# Altium PCB PCB信仰尺V1.0.pcbdoc (part 2 of 6)
Units mil, origin at the board's own origin, x right, y up, seen from the top; angles counter-clockwise.
Board outline 13501.75 x 10176.26 mil, 2 copper layers (Top Layer, Bottom Layer); 258 components, 187 nets, 2051 pads, 0 vias.
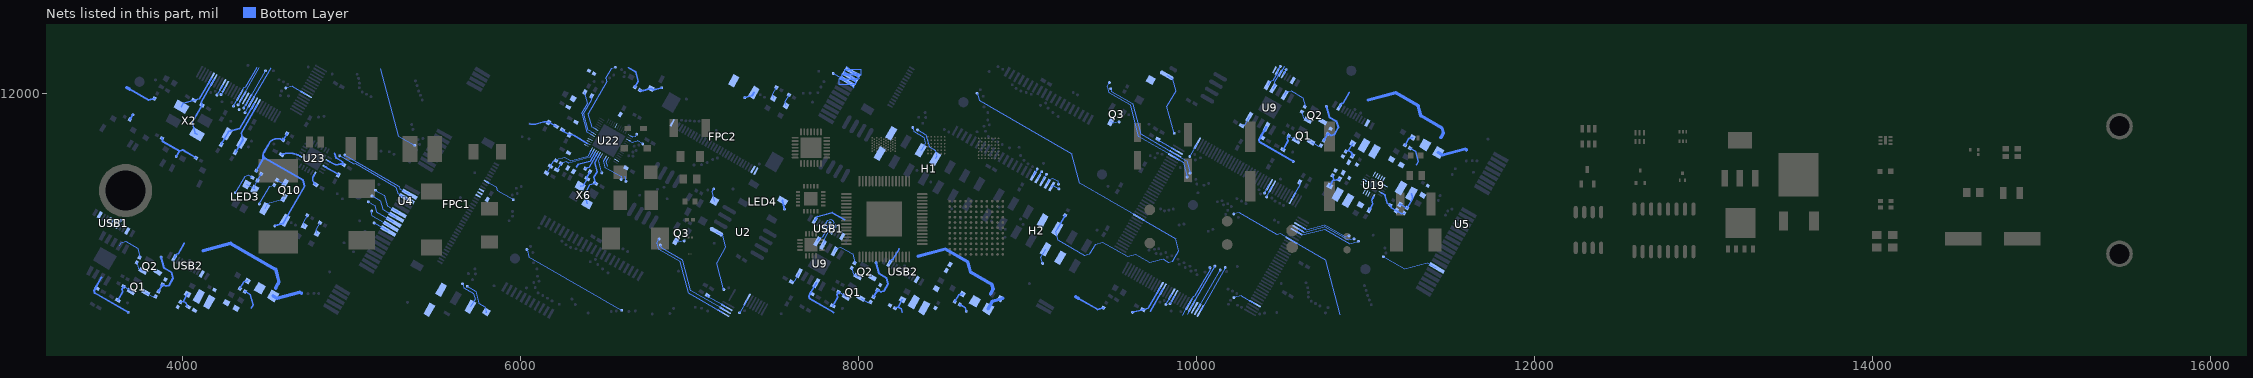
[diagram p2: the nets of this part, all layers, seen from the top]

## Free pads (board coordinates)
  round 60 smd far side mask+2: 1(3746.75,12066.86) 1(5042.75,11399.86) 1(5968.21,11021.13) 1(8621.75,11945.86) 1(9441.75,11518.86) 1(9979.75,11337.86) 1(10916.75,12131.86) 1(11000.07,10957.86)
  oval 11.02x78.74 smd far side rot 60 paste+0 mask+2: 1(4672.69,11889.78) 2(4682.53,11906.83) 3(4692.37,11923.87) 4(4702.22,11940.93) 4(10317.26,10702.81) 5(4712.06,11957.97) 5(10327.1,10719.86) 6(4721.9,11975.02) 6(10336.95,10736.91) 7(4731.74,11992.06) 7(10346.79,10753.95) 8(4741.59,12009.12) 8(10356.63,10771) 9(4751.43,12026.16) 9(10366.47,10788.05) 10(4761.27,12043.21) 10(10376.32,10805.1) 11(4771.11,12060.25) 11(10386.16,10822.14) 12(4780.96,12077.31) 12(10396,10839.19) 13(4790.8,12094.35) 13(10405.84,10856.24) 14(4800.64,12111.4) 14(10415.69,10873.29) 15(4810.48,12128.45) 15(10425.53,10890.33) 16(4820.33,12145.5) 16(10435.37,10907.38) 17(10445.21,10924.43) 18(10455.06,10941.48) 19(10464.9,10958.52) 20(10474.74,10975.58) 21(10484.58,10992.62) 22(10494.43,11009.67) 23(10504.27,11026.71) 24(10514.11,11043.77) 25(10523.95,11060.81) 26(10533.8,11077.86) 27(10543.64,11094.91) 28(10553.48,11111.96) 29(10563.32,11129) 30(10573.17,11146.05) 31(10583.01,11163.1) 32(10592.85,11180.15) 33(10602.69,11197.19) 34(10612.54,11214.24) 35(10622.38,11231.29) 36(10632.22,11248.34) 73(9895.75,11673.54) 74(9885.91,11656.49) 75(9876.07,11639.44) 76(9866.22,11622.39) 77(9856.38,11605.35) 78(9846.54,11588.3) 79(9836.7,11571.25) 80(9826.85,11554.2) 81(9817.01,11537.16) 82(9807.17,11520.11) 83(9797.33,11503.06) 84(9787.48,11486.01) 85(9777.64,11468.97) 86(9767.8,11451.91) 87(9757.96,11434.87) 88(9748.11,11417.82) 89(9738.27,11400.78) 90(9728.43,11383.72) 91(9718.59,11366.68) 92(9708.74,11349.63) 93(9698.9,11332.58) 94(9689.06,11315.53) 95(9679.22,11298.49) 96(9669.37,11281.44) 97(9659.53,11264.39) 98(9649.69,11247.34) 99(9639.85,11230.3) 100(9630,11213.25) 101(9620.16,11196.2) 102(9610.32,11179.15) 103(9600.48,11162.11) 104(9590.63,11145.06) 105(9580.79,11128.01) 106(9570.95,11110.96) 107(9561.11,11093.92) 108(9551.26,11076.86)
  rect 39.37x78.74 smd far side rot 150 paste+0 mask+2: 1(5531.37,10836.59) 2(5462.47,10717.26) 3(5617.97,10786.59) 5(5704.57,10736.59)
  round 15.7 smd far side paste-7.87 mask+4: 1(6054.91,11818.49) 2(6010.86,11742.19)
  rect 35.43x31.5 smd far side rot 150 paste+0 mask+2: 1(6773.76,12026.86) 2(6655.79,12094.97)
  rect 11.8x35.4 smd far side rot 60 paste+4 mask+2: 1(8188.23,11924.36) 2(8198.03,11941.34) 3(8207.88,11958.4) 4(8217.73,11975.46) 5(8227.58,11992.52) 6(8237.43,12009.58) 7(8247.28,12026.64) 8(8257.13,12043.7) 9(8266.93,12060.67) 10(8276.78,12077.74) 11(8286.63,12094.8) 12(8296.48,12111.86) 13(8306.33,12128.92) 14(8316.18,12145.98)
  rect 15.7x63 smd far side rot 150 paste+0 mask+1.97: 1(9144.56,11446.95) 2(9117.28,11462.7) 3(9090,11478.45) 4(9062.72,11494.2) 5(9035.44,11509.95) 6(9008.16,11525.7) 7(8980.88,11541.45) 8(8953.6,11557.2) 9(8926.33,11572.95) 10(8899.13,11588.65) 11(8871.77,11604.45) 12(6180.49,10695.2) 12(8844.49,11620.2) 13(6153.29,10710.9) 13(8817.29,11635.9) 14(6126.01,10726.65) 14(8790.01,11651.65) 15(6098.65,10742.45) 15(8762.65,11667.45) 16(6071.37,10758.2) 16(8735.37,11683.2) 17(6044.09,10773.95) 17(8708.09,11698.95) 18(6016.81,10789.7) 18(8680.81,11714.7) 19(5989.61,10805.4) 19(8653.61,11730.4) 20(5962.33,10821.15) 20(8626.33,11746.15) 21(5935.05,10836.9) 21(8599.05,11761.9) 22(5907.77,10852.65) 22(8571.77,11777.65) 23(6135.77,11247.56) 24(6163.05,11231.81) 25(6190.33,11216.06) 26(6217.61,11200.31) 26(8881.61,12125.31) 27(6244.81,11184.61) 27(8908.81,12109.61) 28(6272.09,11168.86) 28(8936.09,12093.86) 29(6299.37,11153.11) 29(8963.37,12078.11) 30(6326.65,11137.36) 30(8990.65,12062.36) 31(6354.01,11121.56) 31(9018.01,12046.56) 32(6381.29,11105.81) 32(9045.29,12030.81) 33(6408.49,11090.11) 33(9072.49,12015.11) 34(6435.77,11074.36) 34(9099.77,11999.36) 35(6463.13,11058.56) 35(9127.13,11983.56) 36(6490.33,11042.86) 36(9154.33,11967.86) 37(6517.6,11027.11) 37(9181.6,11952.11) 38(6544.88,11011.36) 38(9208.88,11936.36) 39(6572.16,10995.61) 39(9236.16,11920.61) 40(6599.44,10979.86) 40(9263.44,11904.86) 41(6626.72,10964.11) 41(9290.72,11889.11) 42(6654,10948.36) 42(9318,11873.36) 43(6681.28,10932.61) 43(9345.28,11857.61) 44(6708.56,10916.86) 44(9372.56,11841.86)
  oval 24.8x88.58 smd far side rot 60 paste+0 mask+2: 1(9824.81,12105.13) 5(10140.53,12096.06) 6(10115.53,12052.76) 7(10090.53,12009.46) 8(10065.53,11966.15)
  rect 23.62x59.05 smd far side rot 150 paste+0 mask+2: 2(3453.49,10948.18) 3(3487.59,10928.49) 4(3521.68,10908.81) 5(3555.78,10889.12) 6(3664.04,11076.65) 7(3629.95,11096.33) 8(3595.85,11116.02) 9(3561.76,11135.7) 10(3527.66,11155.39)
  oval 24.8x50 smd far side rot 60 paste+0 mask+2: 2(9863.47,12140.86)
  rect 47.24x23.62 smd far side rot 60 paste+0 mask+2: 3(6835.97,12081.86)
  rect 39.37x20 smd far side rot 150 paste+0 mask+2: 4(5565.75,10697.03)
  rect 39.37x40 smd far side rot 150 paste+0 mask+2: 7(5798.75,10705.86)
  rect 110.24x94.49 smd far side rot 150 paste+0 mask+2: 11(3541.72,11022.25)
  round 314.96 hole 236.22 mask+2: 17(3664.75,11422.86)
  round 157.48 hole 118.11 mask+2: 17(15461.75,11048.86) 17(15461.75,11803.86)
  rect 23.62x100.39 smd far side rot 60 mask+2: 19(4880.48,10722.86) 19(4898.48,10750.86) 19(4915.15,10778.86) 19(4931.94,10807.86) 19(4947.39,10834.86) 19(9097.75,10723.86) 19(9112.48,10748.86) 31(7966.4,12122.64) 33(7950.66,12095.36) 35(7934.91,12068.08) 37(7919.16,12040.81) 39(7903.41,12013.53) 41(7887.66,11986.25) 43(7871.92,11958.98) 45(5776.27,12121.64) 45(7856.17,11931.7) 47(5760.52,12094.37) 47(7840.42,11904.43) 49(5744.77,12067.09) 49(7824.67,11877.15) 51(5729.02,12039.81) 51(7808.92,11849.87)
  rect 43.3x70.9 smd far side rot 60 paste+4 mask+2: 37(8053.82,11904.16)
  oval 78.74x11.02 smd far side rot 60 paste+0 mask+2: 37(10602.68,11358.59) 38(10585.63,11368.44) 39(10568.58,11378.28) 40(10551.53,11388.12) 41(10534.49,11397.96) 42(10517.44,11407.81) 43(10500.39,11417.65) 44(10483.34,11427.49) 45(10466.3,11437.33) 46(10449.25,11447.18) 47(10432.2,11457.02) 48(10415.15,11466.86) 49(10398.11,11476.7) 50(10381.06,11486.55) 51(10364.01,11496.39) 52(10346.96,11506.23) 53(10329.92,11516.07) 54(10312.86,11525.92) 55(10295.82,11535.76) 56(10278.77,11545.6) 57(10261.73,11555.44) 58(10244.67,11565.29) 59(10227.63,11575.13) 60(10210.58,11584.97) 61(10193.53,11594.81) 62(10176.48,11604.66) 63(10159.44,11614.5) 64(10142.39,11624.34) 65(10125.34,11634.18) 66(10108.29,11644.03) 67(10091.25,11653.87) 68(10074.2,11663.71) 69(10057.15,11673.55) 70(10040.1,11683.4) 71(10023.06,11693.24) 72(10006.01,11703.08) 109(9580.81,10966.61) 110(9597.86,10956.77) 111(9614.9,10946.93) 112(9631.95,10937.08) 113(9649,10927.24) 114(9666.05,10917.4) 115(9683.09,10907.56) 116(9700.14,10897.71) 117(4102.14,12125.99) 117(9717.19,10887.87) 118(4119.2,12116.14) 118(9734.24,10878.03) 119(4136.24,12106.3) 119(9751.28,10868.19) 120(4153.29,12096.46) 120(9768.33,10858.34) 121(4170.34,12086.62) 121(9785.38,10848.5) 122(4187.39,12076.77) 122(9802.43,10838.66) 123(4204.43,12066.93) 123(9819.47,10828.82) 124(4221.48,12057.09) 124(9836.53,10818.97) 125(4238.53,12047.25) 125(9853.57,10809.13) 126(4255.58,12037.4) 126(9870.62,10799.29) 127(4272.62,12027.56) 127(9887.66,10789.45) 128(4289.67,12017.72) 128(9904.72,10779.6) 129(4306.72,12007.88) 129(9921.76,10769.76) 130(4323.77,11998.03) 130(9938.81,10759.92) 131(4340.81,11988.19) 131(9955.85,10750.08) 132(4357.86,11978.35) 132(9972.91,10740.23) 133(4374.91,11968.51) 133(9989.95,10730.39) 134(4391.96,11958.66) 134(10007,10720.55) 135(4409,11948.82) 135(10024.05,10710.71) 136(4426.06,11938.98) 137(4443.1,11929.14) 138(4460.15,11919.29) 138(7253.39,10804.86) 138(7342.01,10778.08) 138(7359.06,10768.24) 138(7376.1,10758.4) 138(7393.18,10748.54) 138(7410.2,10738.71) 138(7427.25,10728.87) 138(7444.3,10719.03) 139(4477.19,11909.45) 140(4494.25,11899.61) 141(4511.29,11889.77) 142(4528.34,11879.92) 143(4545.39,11870.08) 144(4562.44,11860.24)
  oval 78.74x11.02 smd far side rot 150 paste+0 mask+2: 138(7202.21,10697.37) 138(7212.06,10714.43) 138(7221.91,10731.49) 138(7231.75,10748.55)
  round 17 smd far side mask+2: 145(3637.27,11246.58) 145(3675.8,10758.8) 145(3680.06,10702.88) 145(3707.99,11871.78) 145(3841.76,12077.73) 145(3875.03,11029.46) 145(3964.57,11625.06) 145(4043.74,11010.26) 145(4077.7,10990.42) 145(4168.43,12002.54) 145(4195.15,12011.13) 145(4204.46,11988.17) 145(4229.24,11991.69) 145(4235.53,11948.69) 145(4287.33,11833.4) 145(4293.06,11944.84) 145(4303.05,11922.74) 145(4314.18,11410.48) 145(4330.1,11930.18) 145(4336.72,11902.06) 145(4363.81,11911.3) 145(4371.39,11884.42) 145(4388.38,12163.97) 145(4390.95,11681.84) 145(4409.75,11715.86) 145(4456.24,11343.95) 145(4492.75,12131.86) 145(4538.94,12131.86) 145(4541.8,11698.73) 145(4547.25,11214.34) 145(4572.28,12078.62) 145(4580.48,11985.28) 145(4587.24,12012.12) 145(4598.6,12066.57) 145(4612.5,12029.69) 145(4623.68,12052.09) 145(4628.67,11982.89) 145(4644.78,11233.15) 145(4669.82,11218.41) 145(4705.54,10815.86) 145(4744.01,10813.45) 145(4745.27,12153.6) 145(4778.89,10814.99) 145(4806.26,11858.15) 145(4806.91,10813.85) 145(4838.7,11862.17) 145(4872.01,10942.37) 145(4887.2,12111.99) 145(4917.15,11404.49) 145(4931.94,11628.7) 145(4947.39,11374.4) 145(4957.63,11114.25) 145(4960.97,11633.44) 145(4986.9,11641.11) 145(4998.59,11114.61) 145(5013.01,11061.26) 145(5034.75,12111.4) 145(5043.03,12086.6) 145(5044.37,11117.3) 145(5047.55,12031.31) 145(5048.05,12058.72) 145(5049.53,11244.18) 145(5062.54,11151.05) 145(5064.87,12006.9) 145(5080.31,11182.59) 145(5089.62,11992.98) 145(5100.88,11356.54) 145(5116.32,11979.11) 145(5120.98,11301.86) 145(5122.61,11391.23) 145(5135.22,11231.66) 145(5142.54,11425.32) 145(5163.04,11459.16) 145(5175.85,11656.29) 145(5225.03,11652.5) 145(5252.45,11637.64) 145(5332.75,10761.86) 145(5337.38,11621.01) 145(5345.41,11592.73) 145(5357.15,11814.37) 145(5357.42,11656.81) 145(5364.75,11784.86) 145(5365.59,11628.55) 145(5375.88,11690.94) 145(5379.51,12072.1) 145(5386.38,11663.16) 145(5389.46,12044.02) 145(5394.71,11725.04) 145(5398.5,12011.86) 145(5404.5,11696.62) 145(5408.71,11986.91) 145(5419.82,11959.21) 145(5423.86,11731.48) 145(5645.27,11381.3) 145(5658.05,10872.08) 145(5686.43,10857.01) 145(5692.95,10932.09) 145(5717.15,10896.17) 145(5730.32,11528.63) 145(5730.95,10959.83) 145(5734.35,10930.33) 145(5844.79,10859.8) 145(5934.04,11244.56) 145(5952.51,11397.18) 145(5953.97,11299.51) 145(5954.5,11271.46) 145(5958.08,11368.56) 145(5976.41,11437.07) 145(5981.65,11406.12) 145(6005.47,11447.41) 145(6036.44,10847.03) 145(6038.59,11074) 145(6051.38,11729.06) 145(6060.77,11093.15) 145(6074.56,11056.54) 145(6078.64,10996.46) 145(6079.8,10878.92) 145(6088.2,10849.3) 145(6097.75,10959.86) 145(6101.55,10916.35) 145(6105.74,10817.74) 145(6109.91,11202.5) 145(6110.82,10887.05) 145(6133.02,10802.37) 145(6160.49,10786.37) 145(6187.58,10770.29) 145(6230.13,10750.76) 145(6246.32,11124.04) 145(6269.79,11102.72) 145(6297.67,11087.17) 145(6305.36,10781.11) 145(6325.72,10748.78) 145(6328.84,11078.99) 145(6359.01,11068.29) 145(6401.18,10699.03) 145(6413.91,11002.17) 145(6436.74,12068.49) 145(6444.02,11016.06) 145(6458.35,10986.29) 145(6482.5,11528.09) 145(6487.15,10959.95) 145(6487.41,12066.36) 145(6518.65,10936.45) 145(6528.71,12089.82) 145(6537.8,10707.94) 145(6552.68,12106.36) 145(6562.35,12152.78) 145(6567.94,10711.13) 145(6596.75,11488.86) 145(6599.35,12138.65) 145(6600.03,10715.08) 145(6607.44,11077.73) 145(6613.96,12096.99) 145(6617.57,12121.83) 145(6624.86,11477.59) 145(6634.82,11062.26) 145(6641.36,11628.67) 145(6642.19,10708.23) 145(6642.75,11806.86) 145(6665.93,11650.86) 145(6666.36,11627.1) 145(6673.68,11685.86) 145(6680.47,10711.03) 145(6685.57,11660.73) 145(6689.18,11756.96) 145(6701.17,11692.3) 145(6706.16,11395.66) 145(6724.33,11698.69) 145(6772.84,11407.65) 145(6780.75,10692.86) 145(6797.31,11352.87) 145(6811.06,11431.04) 145(6821.2,11136.67) 145(6828.92,11100.9) 145(6836.59,12031.35) 145(6850.22,11443.03) 145(6868.85,11374.53) 145(6884.75,10695.86) 145(6907.06,10726.34) 145(6935.85,10946.32) 145(6954.12,11839.57) 145(6970.33,11125.36) 145(6979.32,11835.71) 145(6982.8,11964.49) 145(7004.44,11836.35) 145(7027.84,11574.32) 145(7030.83,11833.69) 145(7034.9,10732.57) 145(7057.46,11833.67) 145(7072.1,11576.4) 145(7072.71,10727.1) 145(7105.53,11589.07) 145(7108.15,10710.71) 145(7109.35,11426.33) 145(7138.12,11607.06) 145(7144.69,11433.33) 145(7147.01,11111.73) 145(7159.2,11778.33) 145(7166.43,11615.87) 145(7204.73,10837.6) 145(7233.52,10847.75) 145(7258.29,11432.6) 145(7297.03,10700.2) 145(7326.84,10712.43) 145(7327.77,11972.7) 145(7414.58,11580.24) 145(7419.82,11990.04) 145(7444.86,11975.3) 145(7543.44,10693.99) 145(7563,11313.3) 145(7673.67,11999.13) 145(7714.64,11999.5) 145(7729.05,11946.14) 145(7760.41,12002.19) 145(7765.57,12129.07) 145(7778.58,12035.94) 145(7796.35,12067.48) 145(7832.68,11232.9) 145(7851.27,12116.54) 145(7867.27,11213.58) 145(7905.8,10725.8) 145(8105.03,10996.46) 145(8273.74,10977.26) 145(8307.7,10957.42) 145(8322.05,11797.08) 145(8346.44,11542.76) 145(8350.43,11782.01) 145(8356.95,11857.09) 145(8381.15,11821.17) 145(8394.95,11884.83) 145(8398.35,11855.33) 145(8428.44,11473.38) 145(8508.79,11784.8) 145(8534.6,11769.46) 145(8552.72,11315.17) 145(8605.49,11259.25) 145(8638.68,10708.76) 145(8702.59,11999) 145(8702.67,11770.86) 145(8721.75,12019.86) 145(8738.56,11981.54) 145(8743.54,11918.11) 145(8743.8,11803.92) 145(8752.2,11774.3) 145(8765.55,11841.35) 145(8766.04,11884.53) 145(8769.74,11742.74) 145(8773.86,12127.67) 145(8774.82,11812.05) 145(8782.18,10812.23) 145(8788.11,11242.41) 145(8797.09,11727.11) 145(8824.49,11711.37) 145(8826.39,12156.63) 145(8832.11,11325.78) 145(8851.58,11695.29) 145(8854.33,12141.06) 145(8868.2,11147.06) 145(8869.52,11194.56) 145(8894.13,11675.76) 145(8910.32,12049.04) 145(8933.79,12027.72) 145(8951.36,11679.11) 145(8959.72,11630.78) 145(8959.91,11254.11) 145(8961.76,12012.48) 145(8974.99,11223.37) 145(8980.41,11601.81) 145(8993.27,12004.11) 145(9003.78,11581.1) 145(9012.01,10872.37) 145(9023.01,11993.29) 145(9030.39,11564.55) 145(9058.69,11550.56) 145(9077.91,11927.17) 145(9085.2,11534.34) 145(9090,10992.09) 145(9095.8,11584) 145(9108.02,11941.06) 145(9112.7,11519.32) 145(9122.35,11911.29) 145(9151.15,11884.95) 145(9182.07,11861.3) 145(9184.03,11460.11) 145(9186.36,11433.22) 145(9271.44,12002.73) 145(9296.72,11989.63) 145(9412.58,11188.89) 145(9477.05,11448.08) 145(9485.2,12061.67) 145(9492.92,12025.9) 145(9543.33,11829.36) 145(9600.25,11871.78) 145(9622.17,10702.48) 145(9714.49,11097.29) 145(9719.76,11070.57) 145(9720.01,11815.73) 145(9726.9,11629.57) 145(9752.07,11075.9) 145(9755.49,11616.91) 145(9761.81,11050.64) 145(9769.71,11644.1) 145(9777.49,11079.44) 145(9783.84,10763.05) 145(9788.54,11314.86) 145(9789.85,11048.26) 145(9797.15,11637.71) 145(9810.19,10773.02) 145(9811.1,11302.97) 145(9818.47,11056.88) 145(9819.5,10750.05) 145(9827.94,11028.57) 145(9837.05,11307.37) 145(9843.87,10753.47) 145(9850.57,10710.57) 145(9854.77,11037.06) 145(9863.47,11313.73) 145(9868.73,11762.6) 145(9891.01,11017.08) 145(9897.52,11772.75) 145(9897.94,11219.23) 145(9898.18,10987.17) 145(9904.86,11559.25) 145(9908.11,10706.73) 145(9926.34,11224.97) 145(9926.46,10995.94) 145(9933.83,10968.33) 145(9945.52,11502.6) 145(9961.03,11625.2) 145(9961.91,10975.61) 145(9962.53,11526.56) 145(9967.56,11479.4) 145(9968.08,10946.9) 145(9990.13,11637.24) 145(9994.41,11604.22) 145(9995.82,10951.5) 145(9996.78,11489.57) 145(10002.42,11461.25) 145(10003.42,10925.86) 145(10009.01,11409.97) 145(10024.32,11616.97) 145(10044.64,11454.83) 145(10050.96,10940.91) 145(10070.16,11182.35) 145(10072.8,11465.65) 145(10080.05,10967.39) 145(10097.36,11193.73) 145(10109.18,10976.2) 145(10124.05,11356.91) 145(10140.99,10952.69) 145(10151.75,11362.86) 145(10160.43,11338.86) 145(10170.96,10967.58) 145(10173.45,11282.31) 145(10178.75,10943.86) 145(10185.43,11306.26) 145(10185.94,11345.42) 145(10187.33,10840.51) 145(10189.75,10750.86) 145(10202.29,10774.01) 145(10207.23,11329.22) 145(10213.64,10828.46) 145(10221.33,11284.71) 145(10221.75,10789.86) 145(10238.73,10813.98) 145(10239.36,11375.37) 145(10242.45,10974.2) 145(10243.71,10744.78) 145(10248.61,11264.88) 145(10266.66,11360.8) 145(10266.88,10731.94) 145(10293.25,11346.24) 145(10369.7,11428.05) 145(10374.46,10692.58) 145(10379.11,11403.64) 145(10403.48,10698.45) 145(10403.81,11407.74) 145(10415.59,11385.11) 145(10447.11,11378.94) 145(10462.12,11248.23) 145(10465.75,11360.86) 145(10475.43,10702.42) 145(10484.03,11235.3) 145(10493.17,11348.1) 145(10496.74,12157.68) 145(10497.24,11490.63) 145(10502.24,10873.87) 145(10515.58,11335.04) 145(10531.27,12138.58) 145(10569.8,11650.8) 145(10574.06,11594.88) 145(10648.75,10877.86) 145(10658.43,10848.27) 145(10662.59,10793.2) 145(10663.09,10820.61) 145(10679.91,10768.79) 145(10704.67,10754.87) 145(10730.39,10740.74) 145(10763.78,10699.11) 145(10769.03,11921.46) 145(10778.73,10730.82) 145(10903.36,11155.07) 145(10933.28,11137.65) 145(10937.74,11902.26) 145(10958.78,11123.06) 145(10971.7,11882.42) 145(10994.55,10860.99) 145(11004.5,10832.91) 145(11013.36,10802.75) 145(11023.75,10775.8) 145(11034.86,10748.1) 145(11046.06,11159.4) 145(11106.75,11031.86) 145(11115.19,11082.85) 145(11121.75,11053.86) 145(11431.44,11365.04) 145(11441.96,11393.71) 145(11446.18,11737.23) 145(11474.1,11277.84) 145(11487.34,11302.01) 145(11511.67,11313.47) 145(11513.58,11518.14) 145(11532.17,11552.14) 145(11597.01,11598.45) 145(11598.42,11663.87) 145(11631.89,11599.99) 145(11638.96,11531.25) 145(11659.91,11598.85) 145(11725.01,11727.37)
  rect 19.7x44.9 smd far side rot 150 paste-3937.01 mask+2: A1(10819.35,11932.18) A4(10846.63,11916.43) A9(10569.51,12075.12) A9(11010.31,11821.93) A12(10596.79,12059.37) A12(11037.59,11806.18)
  rect 11.8x44.9 smd far side rot 150 paste-3937.01 mask+2: A5(10885.86,11893.78) A6(10479.18,12127.27) A6(10919.98,11874.08) A7(10496.15,12117.47) A7(10936.96,11864.28) A8(10530.23,12097.68) A8(10971.03,11844.49) B5(10547.34,12087.92) B5(10988.14,11834.73) B6(10513.21,12107.62) B6(10954.02,11854.43) B7(10462.12,12137.12) B7(10902.92,11883.93) B8(10868.75,11903.54)

## Nets (pads, with @x,y where several pads share a name; then routed paths per layer and width w, separated by ;. In a path a pad name is that pad's centre, name@x,y a point inside that pad or via, vN(x,y) a via of type N, cw(c..) or ccw(c..) an arc to the next point about the centre after c; other vN are vias at no path point)
1.2V: C48.2 C49.1 FPC2.30 L2.1 R27.2 | length 109.5
  Bottom Layer w10: C49.1@10789.76,11450.33 10807.58,11481.2 ; R27.2@10805.87,11512.48 10812.16,11489.12 10807.58,11481.2 ; C48.2@10846.7,11491.71 10807.58,11481.2
2.8V: C46.1 C47.2 FPC2.29 L1.1@4098.08,10797.82 L1.1@8328.08,10764.82 L1.1@10992.08,11689.82 R25.1 | length 329.5
  Bottom Layer w10: R25.1@3989.74,10763.05 4005.68,10767.32 ; C46.1@4029.59,10735.47 4023.86,10756.83 4005.68,10767.32 ; C47.2@4030.81,10810.84 4005.68,10767.32 ; 8219.74,10730.05 8235.68,10734.32 ; 8259.59,10702.47 8253.86,10723.83 8235.68,10734.32 ; C47.2@8260.81,10777.84 8235.68,10734.32 ; R25.1@10883.74,11655.05 10899.68,11659.32 ; C46.1@10923.59,11627.47 10917.86,11648.83 10899.68,11659.32 ; C47.2@10924.81,11702.84 10899.68,11659.32
3V3: BUZZER1.1 C21.2 C26.2 C30.1 C44.1 C45.2 FPC1.24 FPC1.25 FPC1.26 H1.1 H1.2 H2.7 H2.12 L13.2 pad.1@5531.37,10836.59 pad.2@5462.47,10717.26 pad.145@3707.99,11871.78 pad.145@3875.03,11029.46 pad.145@3964.57,11625.06 pad.145@4547.25,11214.34 pad.145@7327.77,11972.7 pad.145@8105.03,10996.46 pad.145@10769.03,11921.46 R1.1@3834.81,11967.91 R1.1@9449.85,10729.8 R3.1 R6.1 R14.2 R19.2 R22.2 R23.1 R31.2 R32.2 R33.2 R62.2 R64.2 R65.2 U23.8 U23.13 | length 3138.5
  Bottom Layer w10: 4478.32,11610.07 cw(c4528.67,11623.56) 4477.43,11633.14 cw(c4528.67,11623.56) 4483.53,11649.62 4520.25,11713.24 ; 4520.59,11713.42 cw(c4564.5,11665.04) 4597.16,11721.62 ccw(c4597.09,11721.89) 4597.33,11721.75 R64.2@4619.85,11760.84 ; U23.13@4783.15,11520.68 4776.23,11508.68 ccw(c4807.63,11490.55) C26.2@4789.5,11459.15 ; U23.8@4862.93,11599.53 4894.15,11581.5 ccw(c4913.07,11614.27) 4922.86,11577.72 4930.49,11579.77 cw(c4938.21,11550.98) C30.1@4953.14,11576.77 4948.65,11593.44 4909.13,11616.26 4902.18,11642.19 4899.71,11643.61 ; 6639.75,12149.86 6683.55,12124.66 6698.19,12070.03 R33.2@6677.77,12034.67 ; C44.1@11204.87,11341.15 11207.6,11341.91 R23.1@11246.99,11319.21 11280.12,11376.59 L13.2@11272.8,11403.9
  Bottom Layer w11.81: 3687.39,12023.39 3687.83,12023.51 3800.16,11958.66 R1.1@3834.81,11967.91 ; R14.2@3689.34,11843.09 3690.29,11843.35 pad.145@3706.7,11871.76 ; R19.2@3859.56,10826.54 3883.19,10867.47 3885.45,10868.08 3903.86,10857.45 3921.37,10862.14 3945.59,10904.09 3936.06,10939.62 3892.34,10964.87 pad.145@3875.03,11029.46 ; R31.2@3879.44,11733.07 3884.49,11714.24 3983.17,11657.27 ; pad.145@3964.68,11624.67 pad.145@3964.57,11625.06 3983.17,11657.27 ; R32.2@4081.96,11616.41 4081.88,11616.81 4002.73,11662.51 3983.17,11657.27 ; R62.2@4438.01,11540.24 4478.32,11610.07 4491.89,11613.7 4492.71,11613.23 ; 4477.43,11633.14 ccw(c4509.11,11641.63) 4492.71,11613.23 ; pad.145@4552.73,11215.81 4595.89,11227.38 BUZZER1.1@4606.92,11246.48 4724.18,11449.59 4714.67,11485.08 4492.71,11613.23 ; pad.145@7327.77,11972.7 7370.93,11984.26 BUZZER1.1@7381.96,12003.36 ; R19.2@8089.56,10793.54 8113.19,10834.47 8115.45,10835.08 8133.86,10824.45 8151.37,10829.14 8175.59,10871.09 8166.06,10906.62 8122.34,10931.87 pad.145@8105.03,10996.46 ; 9302.44,10785.28 9302.87,10785.4 9415.2,10720.54 R1.1@9449.87,10729.83 ; R19.2@10753.56,11718.54 10777.19,11759.47 10779.45,11760.08 10797.86,11749.45 10815.37,11754.14 10839.59,11796.09 10830.06,11831.62 10786.34,11856.87 pad.145@10769.03,11921.46
  Bottom Layer w19.68: 3670.49,12033.15 3687.39,12023.39 ; 9285.53,10795.04 9302.44,10785.28
5V: pad.145@8782.18,10812.23 pad.145@11446.18,11737.23 pad.A4 pad.A9 USB1.A4 USB1.A9 USB2.A4 USB2.A9 | length 2305.7
  Bottom Layer w10: USB2.A4@3952.63,11024.43 3965.01,11045.87 3974.9,11048.52 4011.26,11111.48 4011.03,11112.31 ; USB1.A4@7743.5,11246.03 7756.89,11269.21 7845.07,11292.84 7919.66,11249.78 ; USB2.A4@8182.63,10991.43 8195.01,11012.87 8204.9,11015.52 8241.26,11078.48 8241.03,11079.31 ; pad.A4@10846.63,11916.43 10859.01,11937.87 10868.9,11940.52 10905.26,12003.48 10905.03,12004.31
  Bottom Layer w20: 4122.8,11067.25 4286.25,11111.04 4552.39,10957.39 4572.66,10881.72 4567.32,10872.47 ; 4552.18,10846.23 4567.32,10872.47 ; 4567.51,10871.78 4567.32,10872.47 ; 4567.51,10872.78 4567.32,10872.47 ; 8352.8,11034.25 8514.29,11077.52 8647.76,11000.46 8663.7,10940.96 8789.61,10868.27 8797.51,10838.78 pad.145@8782.18,10812.23 ; 11016.8,11959.25 11178.29,12002.52 11311.76,11925.46 11327.7,11865.96 11453.61,11793.27 11461.51,11763.78 pad.145@11446.18,11737.23
5V-OUT: C40.2 C42.1 C43.1 C50.2 C51.2 F1.2 LED4.1 pad.145@3680.06,10702.88 pad.145@4705.54,10815.86 pad.145@7563,11313.3 pad.145@8638.68,10708.76 pad.145@10574.06,11594.88 pad.145@11598.42,11663.87 R15.1 U9.7 U19.7 U19.8 U19.9 U19.10 U19.16 U19.18 U19.19 | length 1847.9
  Bottom Layer w10: R15.1@4370.03,10826.14 4402.95,10807.13 4419.09,10746.91 4408.53,10728.63 ; R15.1@8600.03,10749.14 8632.95,10730.13 pad.145@8638.68,10708.76 ; C51.2@11022.03,11306.89 11043.86,11344.72 11037.57,11368.19 U19.16@11048.07,11386.36 ; R15.1@11264.03,11674.14 11296.95,11655.13 11313.09,11594.91 11302.53,11576.63
  Bottom Layer w11.81: 3521.13,10908.48 3488.72,10852.34 3488.87,10851.79 3476.92,10831.1 3480.34,10818.37 3680.26,10702.94 pad.145@3680.06,10702.88 ; LED4.1@7551.57,11362.97 7550.29,11360.74 pad.145@7563,11313.3 ; U9.7@7751.12,10875.53 7718.72,10819.34 7718.87,10818.79 7706.92,10798.1 7710.34,10785.37 7852.75,10702.86 ; U9.7@10415.12,11800.53 10382.72,11744.34 10382.87,11743.79 10370.92,11723.1 10374.34,11710.37 10574.26,11594.94 pad.145@10574.06,11594.88
  Bottom Layer w20: F1.2@4537.17,10800.43 4562.58,10785.76 4695.08,10821.26 ; 4696.2,10821.25 pad.145@4705.54,10815.86 ; F1.2@8767.17,10723.43 8793.45,10768.95 C43.1@8854.14,10785.22 ; F1.2@11431.17,11648.43 11456.58,11633.76 11589.08,11669.26 pad.145@11598.42,11663.87
$3N8948: C3.1 pad.137 X1.1 | length 319.4
  Bottom Layer w10: C3.1@4314.73,11649.67 4316.93,11650.26 4359.35,11723.72 4348.3,11764.92 pad.137@4443.1,11929.14
$3N8949: C2.1@4231.76,11696.59 pad.136 X1.2 | length 327.7
  Bottom Layer w10: C2.1@4231.76,11696.59 4231.24,11698.63 4273.85,11772.42 4340.15,11790.19 pad.136@4426.06,11938.98
$3N8950: C5.2 pad.122 X2.3 | length 516.3
  Bottom Layer w10: X2.3@4086.84,11755.85 4075.81,11762.22 4058.42,11827.14 C5.2@4117.1,11928.7 4112.25,11946.67 pad.122@4187.39,12076.77 ; 9727.3,10708.56 pad.122@9802.43,10838.66
$3N8951: C6.2@4068.61,11957.09 C6.2@9683.65,10718.98 pad.121 pad.145@9622.17,10702.48 X2.1 | length 498.5
  Bottom Layer w10: X2.1@3994.26,11918.3 4007.13,11940.59 C6.2@4068.61,11957.09 4100.43,11965.59 pad.121@4170.34,12086.62 ; pad.145@9622.17,10702.48 C6.2@9683.65,10718.98 9715.47,10727.47 pad.121@9785.38,10848.5
$3N66254: LED1.1 R9.2 | length 145.6
  Bottom Layer w5.98: LED1.1@4796.78,11167.98 4790.52,11191.37 R9.2@4814.81,11233.44 ; LED1.1@7571.83,11924.87 7565.56,11948.25 R9.2@7589.81,11990.35
$3N66255: LED2.1 R10.2 | length 142.6
  Bottom Layer w5.98: LED2.1@4721.85,11212.54 4715.83,11235 R10.2@4739.81,11276.61 ; LED2.1@7496.89,11969.43 7490.88,11991.89 R10.2@7514.85,12033.49
$3N141143: C24.2 pad.74 pad.138@7221.91,10731.49 | length 272.6
  Bottom Layer w5.98: C24.2@7108.16,10802.93 7109.99,10796.1 pad.138@7221.91,10731.49 ; C24.2@9772.16,11727.93 9773.99,11721.1 pad.74@9885.91,11656.49
$3N143962: C23.1 pad.39@10568.58,11378.28 | length 109.4
  Bottom Layer w5.98: pad.39@10568.58,11378.28 10615.18,11459.02 C23.1@10611,11474.62
$4N12256: C28.2 Q1.1 R18.2 | length 446.5
  Bottom Layer w5.98: R18.2@3652.74,10856.43 3696.3,10831.28 Q1.1@3697.54,10826.65 ; R18.2@7882.74,10823.43 7926.3,10798.28 Q1.1@7927.54,10793.65 ; R18.2@10546.74,11748.43 10590.3,11723.28 Q1.1@10591.54,11718.65
  Bottom Layer w10: C28.2@3618.63,10773.63 3648.17,10824.79 3643.81,10841.05 R18.2@3652.74,10856.43 ; C28.2@7848.63,10740.63 7878.17,10791.79 7873.81,10808.05 R18.2@7882.74,10823.43 ; C28.2@10512.63,11665.63 10542.17,11716.79 10537.81,11733.05 R18.2@10546.74,11748.43
$4N15383: Q2.1 R21.1 | length 201.3
  Bottom Layer w5.98: R21.1@3730.56,10997.65 3739.77,10963.29 Q2.1@3767.1,10947.5 ; R21.1@7960.56,10964.65 7969.77,10930.29 Q2.1@7997.1,10914.5 ; R21.1@10624.56,11889.65 10633.77,11855.29 Q2.1@10661.1,11839.5
$4N64293: F1.1
$4N66337: L13.1 U19.11
$4N66338: C44.2 R23.2 R24.1 U19.14 | length 202.3
  Bottom Layer w10: U19.14@11093.62,11410.06 11115.48,11397.44 11128.75,11347.91 R24.1@11148.32,11336.56 11152.27,11321.92 11183.39,11303.95 11214.97,11285.72 R23.2@11229.95,11289.7
$4N66341: L1.2@4159.4,10762.42 L1.2@8389.4,10729.42 L1.2@11053.4,11654.42 U19.6
$4N66342: C46.2 R25.2 R26.2 U19.3
$4N66343: C48.1 R27.1 R28.1 U19.2
$4N66354: L2.2 U19.20
$4N74032: Q1.3 R19.1 | length 196.5
  Bottom Layer w5.98: Q1.3@3784.49,10819.64 3829.56,10793.62 R19.1@3842.56,10797.1 ; Q1.3@8014.49,10786.64 8059.56,10760.62 R19.1@8072.56,10764.1 ; Q1.3@10678.49,11711.64 10723.56,11685.62 R19.1@10736.56,11689.1
$4N117713: C41.2 U9.10 | length 145.1
  Bottom Layer w5.98: C41.2@7604.37,10882.4 7621.39,10886.97 U9.10@7648.85,10934.53 ; C41.2@10268.37,11807.4 10285.39,11811.97 U9.10@10312.85,11859.53
$4N125922: LED5.1 R15.2 | length 206.5
  Bottom Layer w10: R15.2@4340.58,10843.14 4363.42,10882.71 LED5.1@4385.8,10888.7 ; R15.2@8570.58,10766.14 8593.42,10805.71 LED5.1@8615.8,10811.7 ; R15.2@11234.58,11691.14 11257.42,11730.71 LED5.1@11279.8,11736.7
$5N1486: C77.2 U22.7 | length 258
  Bottom Layer w5.98: C77.2@6422.08,11982.94 6418.86,11977.36 6423.11,11961.46 6375.59,11879.15 6402.29,11779.48 U22.7@6434.25,11761.03
$5N1487: C76.1 U22.6 | length 292.5
  Bottom Layer w5.98: C76.1@6382.29,12005.22 6381.03,12003.05 6397.61,11941.18 6362.29,11880 6391.88,11769.56 U22.6@6427.35,11749.08
$5N1489: C75.1 L3.2@6249.37,11781.87 U22.2 | length 174.1
  Bottom Layer w8: C75.1@6291.08,11753.11 cw(c6299.5,11721.78) 6315.73,11749.9 U22.2@6399.78,11701.39
  Bottom Layer w10: L3.2@6249.37,11781.87 ccw(c6262.67,11785.41) 6255.8,11773.52 C75.1@6291.08,11753.11
$5N7160: LED3.2 R62.1 R63.2 | length 160.3
  Bottom Layer w5.98: LED3.2@4380.5,11458.08 LED3.2@4428.31,11430.48 4423.97,11446.68 4444.82,11482.79 4444.59,11483.65 R62.1@4467.49,11523.22
$5N7171: BUZZER1.2 Q10.3 | length 140.4
  Bottom Layer w5.98: BUZZER1.2@4487.58,11315.38 4504.27,11344.28 4593.97,11368.32 Q10.3@4601.05,11380.58
$5N7172: Q10.1 R34.2 | length 52.9
  Bottom Layer w5.98: R34.2@4561.05,11485.03 4596.69,11464.45 Q10.1@4608.03,11467.47
$5N46326: C74.1 L3.1@6212.2,11803.33 | length 166.1
  Bottom Layer w10: 6055.03,11818.01 ccw(c6076.46,11900.85) 6098.6,11818.2 6140.26,11829.36 cw(c6149.33,11795.5) 6166.86,11825.86 cw(c6169.66,11815.4) 6175.07,11824.77 L3.1@6212.17,11803.35
$5N67812: C81.2 U22.44 X6.3 | length 342.7
  Bottom Layer w7.87: X6.3@6395.36,11344.94 6379.93,11402.5 6412.09,11458.2 6445.19,11467.07 6435.76,11502.27 6454.81,11535.26 6440.47,11588.79 U22.44@6467.74,11636.02
$5N67848: C82.2 R5.2 X6.1 | length 113.5
  Bottom Layer w7.87: X6.1@6354.81,11447.91 6372.73,11452.71 6396.17,11493.32 6393.85,11501.98 R5.2@6413.42,11535.87
$5N67920: C85.1 R42.1 U22.47 | length 268.4
  Bottom Layer w5.98: C85.1@6215.23,11545.04 6219.72,11546.24 6242.06,11584.94 6273.38,11593.33 6286.3,11585.87 6410.27,11619.09 U22.47@6431.98,11656.69
$5N67956: C85.2 C86.1 R42.2 U22.48 | length 338.5
  Bottom Layer w5.98: C86.1@6155.26,11527.16 C85.2@6178.03,11566.52 6195.02,11596.03 R42.2@6211.77,11600.54 6214.04,11604.4 6263.28,11617.6 6294.66,11599.48 6399.19,11627.49 U22.48@6420.01,11663.58
$5N89431: R5.1 U22.45 | length 121
  Bottom Layer w7.87: R5.1@6383.97,11552.87 6385.48,11555.48 6408.93,11561.76 U22.45@6455.81,11642.91
$5N112002: C25.1 U23.10 | length 95.4
  Bottom Layer w10: U23.10@4843.23,11565.41 4918.52,11521.94 cw(c4913.13,11512.62) C25.1@4923.51,11515.37
$5N113532: C87.1 U23.20 | length 113
  Bottom Layer w10: C87.1@4588.09,11636.34 cw(c4632.81,11515.75) U23.20@4697.12,11627.13
ADC-LIGHT: pad.126 pad.145@4229.24,11991.69 pad.145@4314.18,11410.48 pad.145@4931.94,11628.7 pad.145@9843.87,10753.47 R63.1 U4.21 | length 749.5
  Bottom Layer w5.98: pad.145@4228.82,11991.58 pad.145@4229.24,11991.69 pad.126@4255.58,12037.4 ; pad.145@4314.18,11410.48 4369.31,11505.97 4393.47,11512.44 R63.1@4415.38,11499.79 ; pad.145@4931.24,11628.52 pad.145@4931.94,11628.7 5018.63,11578.65 5025.49,11580.49 5263.96,11442.81 5273.71,11406.43 U4.21@5327.1,11375.6 ; pad.145@9843.87,10753.47 9844.28,10753.58 pad.126@9870.66,10799.27
BEEP: pad.125 pad.145@4204.46,11988.17 pad.145@4456.24,11343.95 pad.145@4960.97,11633.44 pad.145@9819.5,10750.05 R34.1 U4.19 | length 735
  Bottom Layer w5.98: pad.145@4204.46,11988.17 pad.125@4238.56,12047.23 ; pad.145@4456.24,11343.95 4516.41,11448.18 R34.1@4544.05,11455.59 ; pad.145@4960.97,11633.44 5284.77,11446.5 5287.96,11434.57 U4.19@5342.85,11402.88 ; pad.145@9819.5,10750.05 pad.125@9853.57,10809.13
BOOT0: H2.10 pad.7@4731.74,11992.06 pad.7@10346.79,10753.95 pad.145@4612.5,12029.69 pad.145@6970.33,11125.36 pad.145@9090,10992.09 pad.145@9543.33,11829.36 pad.145@10221.75,10789.86 Q2.3 Q3.3 R22.1 | length 466.8
  Bottom Layer w5.98: pad.145@4612.5,12029.69 4649.4,12039.58 pad.7@4731.74,11992.05 ; Q3.3@6920.6,11126.29 6937.43,11116.54 pad.145@6970.33,11125.36 ; pad.145@9090,10992.09 9080.18,11028.74 H2.10@9107.81,11076.6 ; Q3.3@9493.6,11830.29 9510.43,11820.54 pad.145@9543.33,11829.36 ; pad.145@10227.54,10791.58 10264.45,10801.47 pad.7@10346.78,10753.93
BOOT1: FPC1.29 H2.9 pad.97 pad.145@5958.08,11368.56 pad.145@6038.59,11074 pad.145@6600.03,10715.08 pad.145@8702.59,11999 pad.145@11106.75,11031.86 R16.2 U5.41 | length 3826.2
  Bottom Layer w5.98: FPC1.29@5799.78,11476.63 5858.94,11442.47 5864.23,11422.74 pad.145@5958.08,11368.56 ; pad.145@6040.22,11074.83 6039.95,11074.36 6051.04,11033 pad.145@6599.9,10716.11 ; pad.145@8704.22,11999.83 8703.95,11999.36 8715.04,11958 9263.9,11641.11 9310.54,11467.04 pad.97@9657.93,11266.47 ; H2.9@9176.71,11195.93 9168.95,11182.5 9183.57,11127.93 9339.45,11037.94 9367.32,11045.4 9400.66,11103.14 9446.98,11115.55 9592.54,11031.52 9640.19,11044.28 9724.34,10995.7 9803.02,11016.78 9837.15,10997.07 9857.96,11002.65 9862.9,11009.83 ; pad.97@9659.53,11264.39 9876.83,11138.89 9896.03,11067.21 9862.9,11009.83 ; 9861.57,11007.52 9862.9,11009.83 ; pad.145@11110.59,11030.62 11110.03,11032.72 11233.77,10961.28 11366.87,10996.94 U5.41@11420.47,10966
  Bottom Layer w10: H2.9@9176.71,11195.93 9223.1,11276.29 R16.2@9222.89,11276.98
CLK: pad.34@10612.54,11214.24 pad.145@10903.36,11155.07 | length 320.5
  Bottom Layer w5.98: pad.34@10612.54,11214.24 10650.58,11192.26 10759.15,11221.35 10883.28,11149.69 pad.145@10903.36,11155.07
CMD: pad.29@10563.32,11129 pad.145@5375.88,11690.94 pad.145@10221.33,11284.71 | length 1477
  Bottom Layer w5.98: 5174.75,12144.86 5282.11,11745.08 pad.145@5375.88,11690.94 pad.145@5375.94,11690.71 ; pad.145@10221.33,11284.71 10252.34,11293.02 10477.62,11162.96 10496,11167.88 pad.29@10563.32,11129 10761.06,11014.85 10848.29,10689.55 10848.75,10689.55
D0: pad.47@10432.2,11457.02 pad.145@10403.81,11407.74 | length 57.3
  Bottom Layer w5.98: pad.145@10403.76,11407.93 pad.145@10403.81,11407.74 10432.29,11457.07 pad.47@10432.2,11457.02
D1: pad.46 pad.145@10415.59,11385.11 | length 72.3
  Bottom Layer w5.98: pad.145@10415.59,11385.11 10415.07,11387.05 10449.89,11447.36 pad.46@10449.25,11447.18
D2: pad.32@10592.85,11180.15 pad.145@10958.78,11123.06 | length 400.8
  Bottom Layer w5.98: pad.32@10592.83,11180.11 10627.13,11160.3 10759.51,11195.78 10908.7,11109.64 pad.145@10958.78,11123.06
D3: pad.33@10602.69,11197.19 pad.145@10933.28,11137.65 | length 363.2
  Bottom Layer w5.98: pad.33@10602.69,11197.19 10637.12,11177.28 10757.6,11209.56 10898.37,11128.29 pad.145@10933.28,11137.65
D+: pad.145@3637.27,11246.58 pad.145@7832.68,11232.9 pad.145@7867.27,11213.58 pad.145@10496.74,12157.68 pad.145@10531.27,12138.58 pad.A6@10479.18,12127.27 pad.B6@10513.21,12107.62 U9.1@7757.1,11122.1 U9.1@10421.1,12047.1 USB1.A6 USB1.B6 | length 388.2
  Bottom Layer w5.98: USB1.B6@3619.24,11215.66 3619.46,11215.72 pad.145@3637.27,11246.58 ; U9.1@7757.15,11122.11 7768.69,11142.1 7786.47,11146.86 7816.19,11198.35 7815.15,11202.23 7832.74,11232.68 pad.145@7832.68,11232.9 ; USB1.B6@7849.24,11182.66 7849.46,11182.72 pad.145@7867.27,11213.58 ; U9.1@10421.15,12047.11 10432.69,12067.1 10450.47,12071.86 10480.19,12123.35 10479.15,12127.23 pad.145@10496.74,12157.68 pad.145@10496.68,12157.9 ; pad.B6@10513.24,12107.66 10513.46,12107.72 pad.145@10531.27,12138.58
D-: pad.A7@10496.15,12117.47 pad.B7@10462.12,12137.12 U9.2@7791.2,11102.42 U9.2@10455.2,12027.42 USB1.A7 USB1.B7 | length 390.4
  Bottom Layer w5.98: U9.2@7791.19,11102.46 7802.13,11121.42 7797.57,11138.45 7828.16,11191.44 7832.86,11192.7 7854.84,11230.77 7851.07,11244.84 7836.62,11253.18 7819.11,11248.49 USB1.B7@7798.14,11212.16 ; U9.2@10455.19,12027.46 10466.13,12046.42 10461.57,12063.45 10492.16,12116.44 10496.86,12117.7 10518.84,12155.77
DTR: R21.2 U9.4 | length 558.4
  Bottom Layer w5.98: 3629.43,11096.06 3640.42,11115.09 3666,11121.95 3736.11,11081.46 3749.69,11030.79 R21.2@3747.58,11027.13 ; U9.4@7859.43,11063.06 7870.42,11082.09 7896,11088.95 7966.11,11048.46 7979.69,10997.79 R21.2@7977.58,10994.13 ; U9.4@10523.43,11988.06 10534.42,12007.09 10560,12013.95 10630.11,11973.46 10643.69,11922.79 R21.2@10641.58,11919.13
ESP3V3: C70.2 C71.1 C72.2 C73.2 C78.2 C80.2 C83.2 C84.2 FPC2.1 pad.145@6482.5,11528.09 R6.2 U22.1 U22.3 U22.4 U22.19 U22.37 U22.43 U22.46 | length 266.6
  Bottom Layer w5.98: U22.43@6479.67,11629.13 6463.12,11600.42 pad.145@6482.5,11528.09 pad.145@6485.88,11526.13
  Bottom Layer w8: 6331.89,11561.03 6342,11578.55 6413.79,11597.78 U22.46@6443.84,11649.84
ESP-RST: D1.1@7148.64,11361.08 D1.1@9730.9,12077.01 pad.1@6773.76,12026.86 pad.145@6562.35,12152.78 pad.145@6836.59,12031.35 pad.145@7144.69,11433.33 R33.1 U22.9 | length 654.4
  Bottom Layer w5.98: U22.9@6448.05,11784.93 6424.33,11798.63 6403.15,11877.68 6511.6,12065.52 6505.72,12087.46 6539.97,12146.79 pad.145@6562.35,12152.78 ; pad.145@7144.69,11433.33 7134.17,11415.1 D1.1@7148.64,11361.08
  Bottom Layer w11.81: R33.1@6707.22,12017.67 6717.45,12011.76 6773.73,12026.84 6788.32,12018.42 pad.145@6836.59,12031.35
ESP-U0RXD: H1.7 pad.7@5798.75,10705.86 pad.145@5686.43,10857.01 pad.145@6624.86,11477.59 pad.145@8350.43,11782.01 U22.40 | length 514.2
  Bottom Layer w5.98: pad.145@5686.43,10857.01 5735.75,10828.54 5754.85,10757.24 5790.36,10736.74 pad.7@5798.75,10705.43 ; pad.7@5798.75,10705.86 pad.7@5798.75,10705.43 ; 6513.82,11566.81 6506.72,11593.34 U22.40@6515.48,11608.46 ; 6616.89,11507.31 pad.145@6624.86,11477.59 ; pad.145@8350.43,11782.01 8399.75,11753.54 8418.85,11682.24 8454.36,11661.74 8463.79,11626.52 H1.7@8455.18,11611.59 ; pad.7@5798.75,10705.43 5798.75,10702.56 5799.79,10701.52 pad.7@5798.75,10705.43
ESP-U0TXD: H1.5 pad.5@5704.57,10736.59 pad.145@5658.05,10872.08 pad.145@6596.75,11488.86 pad.145@8322.05,11797.08 U22.41 | length 545
  Bottom Layer w5.98: pad.145@5658.05,10872.08 5664.51,10847.98 5722.52,10814.48 5732.05,10778.92 5708.16,10737.55 pad.5@5704.57,10736.59 ; U22.41@6503.51,11615.39 6491.89,11595.26 6500.9,11561.62 6595.84,11506.81 pad.145@6600.2,11490.54 ; pad.145@8322.05,11797.08 8328.51,11772.98 8386.52,11739.48 8396.05,11703.92 8372.16,11662.55 H1.5@8368.57,11661.59
ESP-U1RXD: pad.76 pad.138@7202.21,10697.37 pad.145@6689.18,11756.96 pad.145@6821.2,11136.67 pad.145@9485.2,12061.67 pad.145@9945.52,11502.6 U22.25 | length 1491
  Bottom Layer w5.98: U22.25@6652.95,11746.16 6663.21,11740.27 6682.53,11745.45 pad.145@6689.18,11756.96 ; pad.145@6821.2,11136.67 6807.22,11112.45 6816.74,11076.92 6946.77,11001.85 6996.53,10816.11 pad.138@7202.21,10697.37 ; pad.145@9485.2,12061.67 9471.22,12037.45 9480.74,12001.92 9610.77,11926.85 9660.53,11741.11 pad.76@9866.22,11622.39 9923.43,11589.33 pad.145@9946.84,11501.98
ESP-U1TXD: pad.75 pad.138@7212.06,10714.43 pad.145@6724.33,11698.69 pad.145@6828.92,11100.9 pad.145@9492.92,12025.9 pad.145@9962.53,11526.56 U22.27 | length 1417.3
  Bottom Layer w5.98: U22.27@6639.14,11722.3 6661.22,11709.55 6691.48,11717.65 pad.145@6724.33,11698.69 ; pad.145@6828.92,11100.9 6833.44,11084.06 6961.15,11010.33 7009.02,10831.65 pad.138@7212.06,10714.43 ; pad.145@9492.92,12025.9 9497.44,12009.06 9625.15,11935.33 9673.02,11756.65 pad.75@9876.07,11639.44 9942.58,11601.03 pad.145@9962.53,11526.56
F-CS: pad.1@9824.81,12105.13 pad.72 pad.138@7342.01,10778.08 pad.145@7204.73,10837.6 pad.145@7297.03,10700.2 pad.145@9868.73,11762.6 pad.145@9961.03,11625.2 U2.1 | length 948.6
  Bottom Layer w5.98: U2.1@7160.81,11180.13 7194.04,11160.95 7213.86,11086.96 7161.99,10997.12 pad.145@7204.73,10837.6 ; pad.145@7296.56,10700.08 pad.145@7297.03,10700.2 pad.138@7342.01,10778.08 ; pad.1@9824.81,12105.13 9858.04,12085.95 9877.86,12011.96 9825.99,11922.12 pad.145@9868.73,11762.6 ; pad.145@9960.56,11625.08 pad.145@9961.03,11625.2 pad.72@10006.01,11703.08
FSMC-A0: pad.5@9035.44,11509.95 pad.35@7934.91,12068.08 pad.135 pad.145@4371.39,11884.42 pad.145@5135.22,11231.66 pad.145@7851.27,12116.54 pad.145@9058.69,11550.56 pad.145@10170.96,10967.58 U4.35 | length 1303.6
  Bottom Layer w1: 7897.34,12103.41 pad.35@7972.47,12032.76 ; 7885.53,12082.95 7984.28,12082.95 pad.35@7984.28,12053.21 ; 7885.53,12082.95 7885.53,12053.21 pad.35@7984.28,12053.21 ; 7885.53,12082.95 pad.35@7984.28,12053.21
  Bottom Layer w5.98: pad.145@4371.39,11884.42 4371.52,11883.93 pad.135@4409,11948.82 4525.75,12150.86 ; pad.145@5135.22,11231.66 5216.69,11184.62 U4.35@5216.86,11184.67 ; pad.145@7851.27,12116.54 7932.74,12069.51 pad.35@7932.91,12069.55 ; pad.5@9035.44,11509.95 9035.38,11510.19 pad.145@9058.69,11550.56 ; pad.135@10024.43,10710.83 10171.51,10965.56 pad.145@10170.96,10967.58
FSMC-A1: pad.4@9062.72,11494.2 pad.33@7950.66,12095.36 pad.134 pad.145@4363.81,11911.3 pad.145@4492.75,12131.86 pad.145@5120.98,11301.86 pad.145@9085.2,11534.34 pad.145@10140.99,10952.69 U4.33 | length 1186.9
  Bottom Layer w1: 7913.09,12130.69 pad.33@7988.22,12060.03 ; 7901.28,12110.23 8000.03,12110.23 8000.03,12080.49 ; 7901.28,12110.23 7901.28,12080.49 8000.03,12080.49 ; 7901.28,12110.23 8000.03,12080.49
  Bottom Layer w5.98: pad.145@4363.81,11911.3 4364.71,11911.54 4391.93,11958.68 pad.145@4492.75,12131.86 ; pad.145@5120.98,11301.86 5118.67,11297.86 5125.05,11274.04 U4.33@5232.61,11211.94 ; pad.4@9062.72,11494.2 9085.42,11533.51 pad.145@9085.2,11534.34 ; pad.134@10006.97,10720.57 pad.145@10140.99,10952.69
  Bottom Layer w10: pad.145@10140.99,10952.69 pad.145@10141.14,10952.73
FSMC-A2: pad.3@9090,11478.45 pad.31@7966.4,12122.64 pad.133 pad.145@4336.72,11902.06 pad.145@5100.88,11356.54 pad.145@9112.7,11519.32 U4.31 | length 708.4
  Bottom Layer w1: 7928.84,12157.96 8003.97,12087.31 ; 7917.03,12137.51 8015.78,12137.51 pad.31@8015.78,12107.77 ; 7917.03,12137.51 7917.03,12107.77 pad.31@8015.78,12107.77 ; 7917.03,12137.51 pad.31@8015.78,12107.77
  Bottom Layer w5.98: pad.145@4336.72,11902.06 pad.145@4336.68,11902.19 ; pad.145@5100.88,11356.54 5138.13,11335.04 5148.33,11296.97 U4.31@5248.36,11239.22 ; pad.3@9090,11478.45 9089.72,11479.52 pad.145@9112.7,11519.32
FSMC-A3: pad.2@9117.28,11462.7 pad.132 pad.145@4330.1,11930.18 pad.145@5122.61,11391.23 pad.145@9184.03,11460.11 pad.145@10109.18,10976.2 U4.29 | length 886.6
  Bottom Layer w5.98: pad.145@4329.98,11930.64 pad.145@4330.1,11930.18 pad.132@4357.86,11978.35 4456.75,12149.86 ; pad.145@5122.61,11391.23 5171.15,11363.21 5184.8,11312.28 U4.29@5264.11,11266.49 ; pad.2@9117.28,11462.7 9133.78,11491.27 9151.2,11495.94 9178.68,11480.08 pad.145@9184.03,11460.11 ; 9945.14,10692.07 pad.132@9972.91,10740.23 pad.145@10109.18,10976.2 pad.145@10109.9,10976.39
FSMC-A4: pad.1@9144.56,11446.95 pad.131 pad.145@4303.05,11922.74 pad.145@5142.54,11425.32 pad.145@9186.36,11433.22 pad.145@10080.05,10967.39 U4.27 | length 866.7
  Bottom Layer w5.98: pad.145@4303.5,11922.86 pad.145@4303.05,11922.74 pad.131@4340.81,11988.19 4368.13,12035.46 4376.61,12037.74 4443.75,12153.86 ; pad.145@5142.54,11425.32 5195.3,11394.86 5211.87,11333.03 U4.27@5279.86,11293.77 ; pad.1@9144.56,11446.95 9149.04,11454.76 pad.145@9186.36,11433.22 ; 9918.09,10684.62 pad.131@9955.85,10750.08 9983.17,10797.35 9991.65,10799.62 10080.66,10953.79 10077.98,10963.81 pad.145@10080.05,10967.39 ; pad.145@10080.18,10966.89 pad.145@10080.05,10967.39 ; pad.145@10082.42,10966.05 10083.34,10967.65 10083.19,10968.23 pad.145@10080.05,10967.39